# Altium PCB HYDRA_V4_LINK_OLD.PcbDoc (part 2 of 2)
Units mm, origin at the board's own origin, x right, y up, seen from the top; angles counter-clockwise.
Board outline 50.25 x 44.2 mm, 4 copper layers (TOP SIG, PWR + INT SIG, GND, BOTTOM SIG), stack 1.586 mm thick; 194 components, 154 nets, 761 pads, 257 vias.
Unrouted connection lines stored in the file: 15.
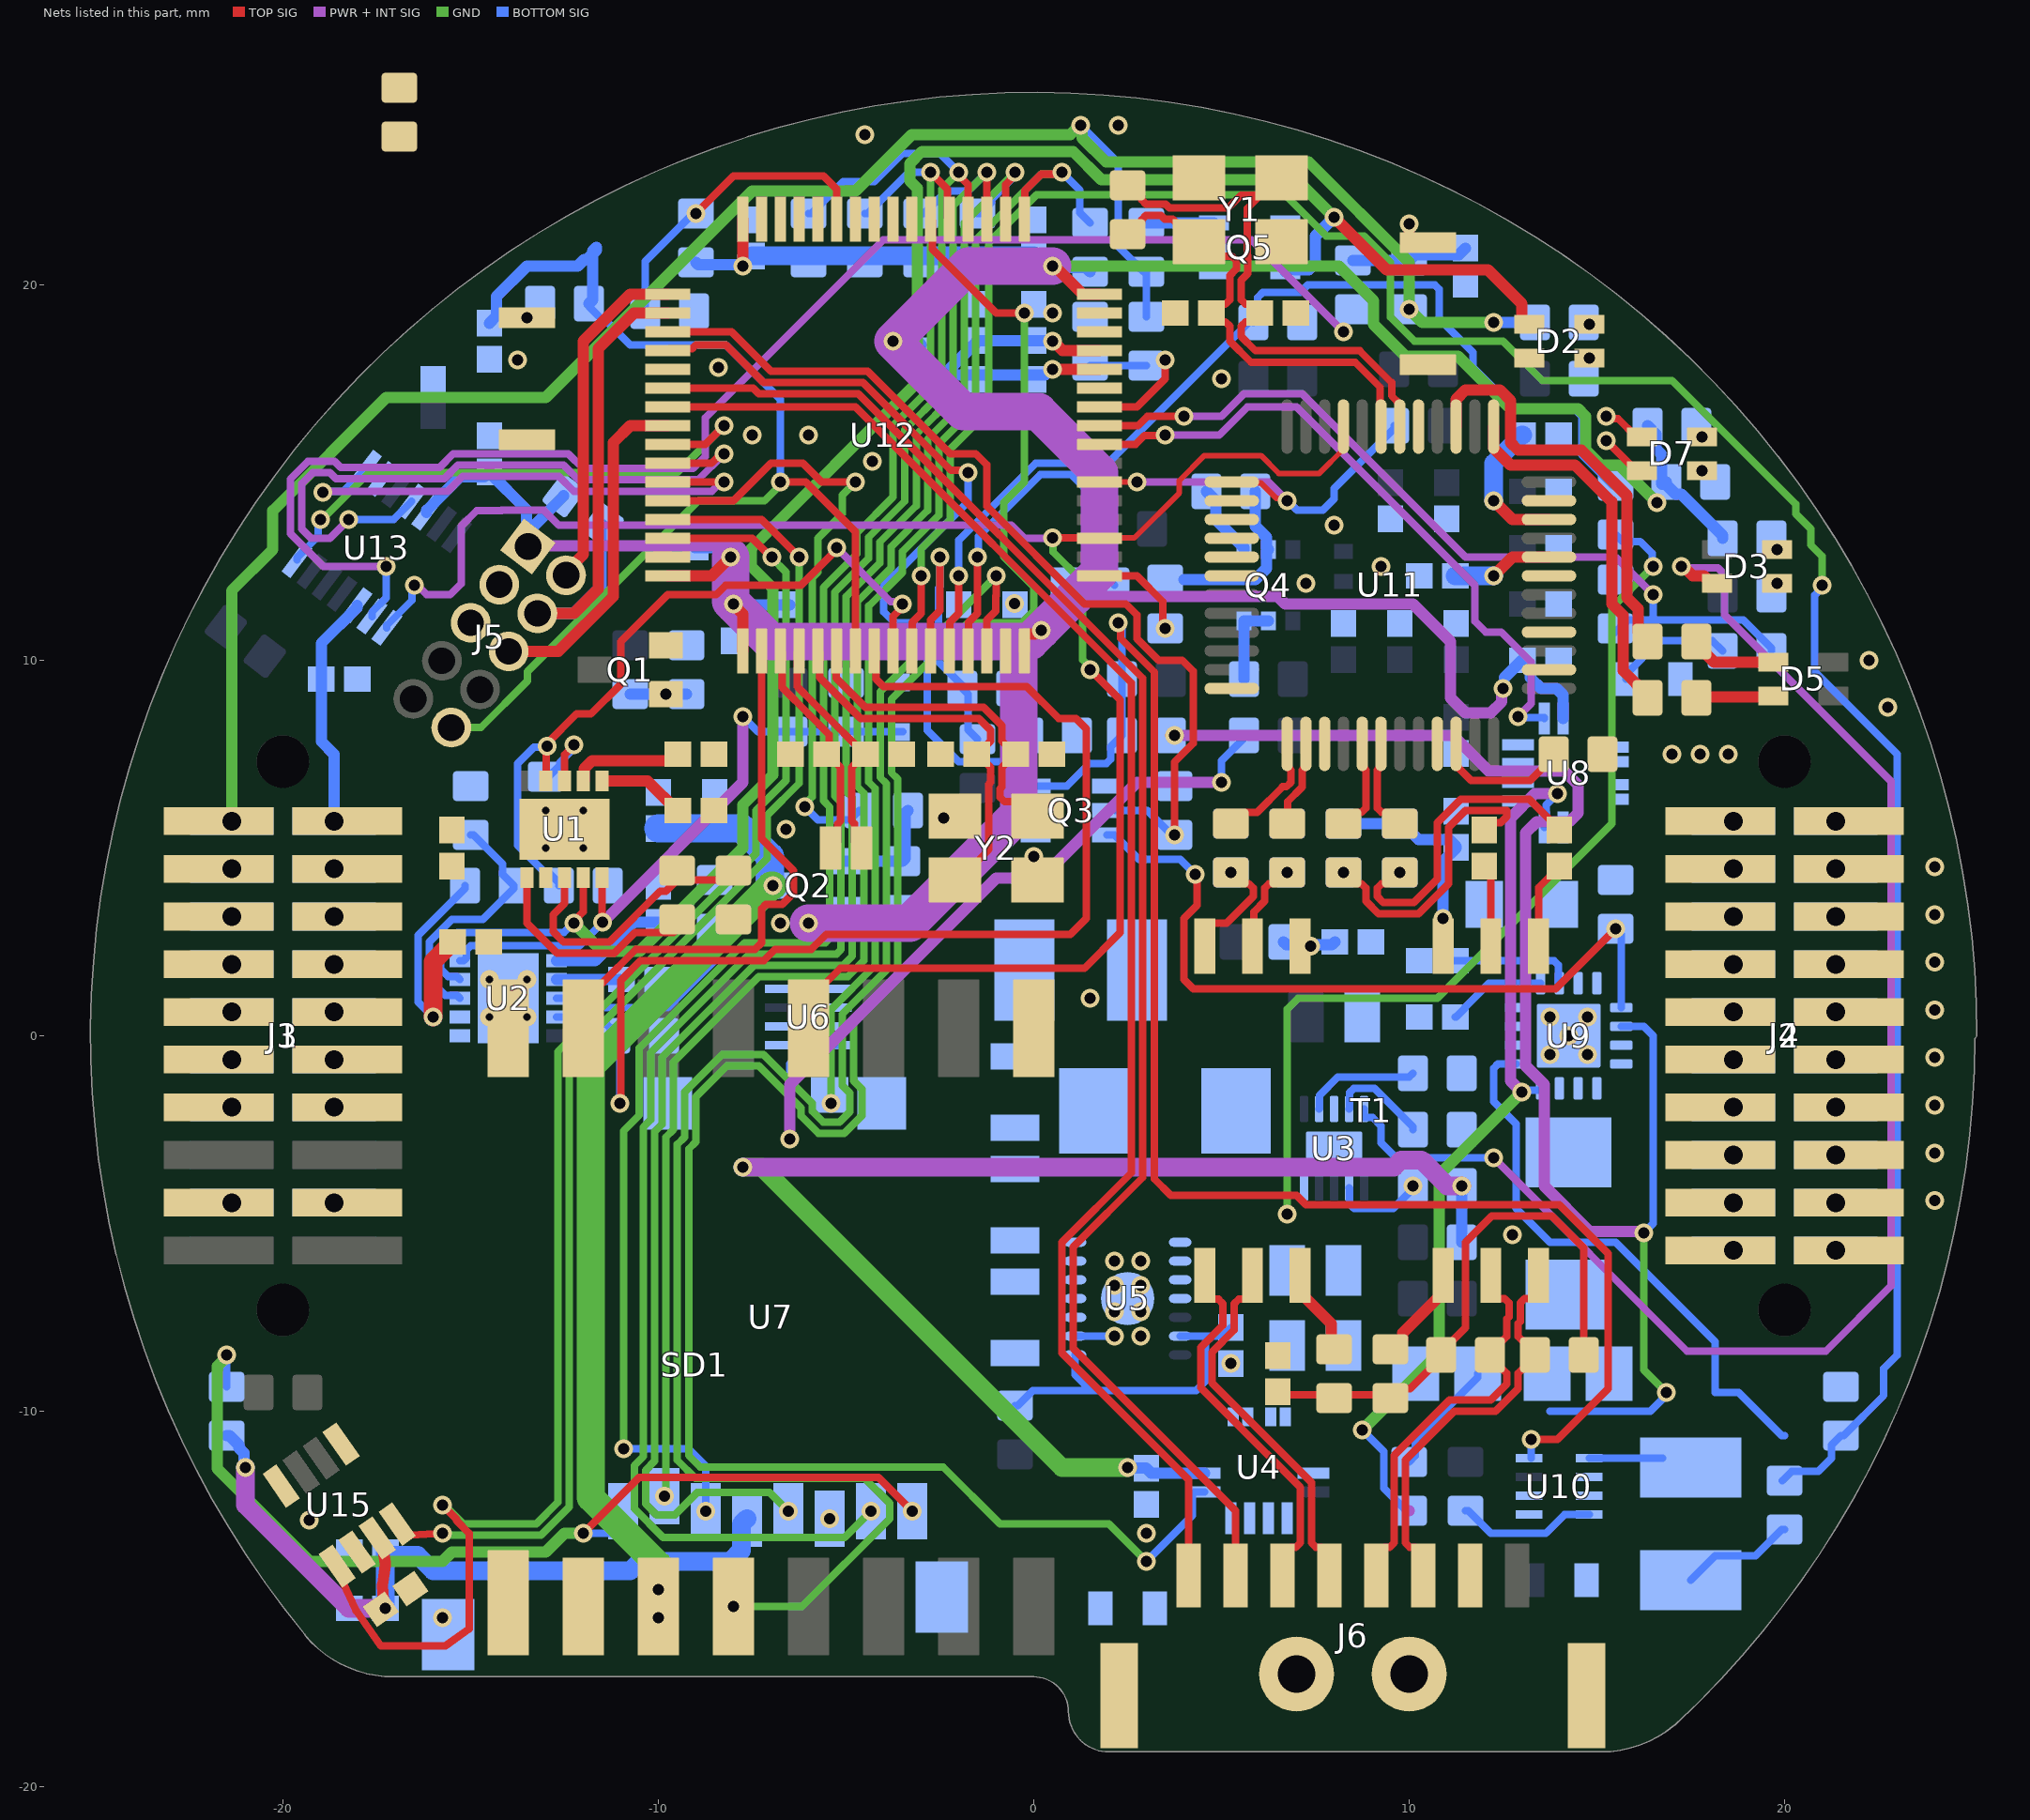
[diagram p4: the nets of this part, all layers, seen from the top]

## Via types
v1: diameter 0.5, hole 0.3, TOP SIG to BOTTOM SIG, tented both sides, 203 vias
v2: diameter 0.7, hole 0.5, TOP SIG to BOTTOM SIG, tented both sides, 40 vias
v3: diameter 0.5, hole 0.2, TOP SIG to BOTTOM SIG, 8 vias
v4: diameter 0.5, hole 0.3, TOP SIG to BOTTOM SIG, 6 vias

## Nets (pads, with @x,y where several pads share a name; then routed paths per layer and width w, separated by ;. In a path a pad name is that pad's centre, name@x,y a point inside that pad or via, vN(x,y) a via of type N, cw(c..) or ccw(c..) an arc to the next point about the centre after c; other vN are vias at no path point) (continued)
ETH_nRST: R75.1 U11.37 U12.22 | length 11
  TOP SIG w0.15: U12.22@1.75,14.75 v1(2.75,14.75) ; U11.37@5.275,14.75 5.303,14.722 6.053,14.722 6.458,14.317 6.683,14.317 v1(6.75,14.25)
  PWR + INT SIG w0.2: v1(2.75,14.75) 6.25,14.75 v1(6.75,14.25)
  BOTTOM SIG w0.2: v1(6.75,14.25) 6.767,14.25 7.017,14 7.7,14 8,14.3 8,14.575 9.6,16.175 R75.1@9.6,16.25
ETH_RX_N: J6.5 R73.1 T1.11 | length 10.8
  TOP SIG w0.2: J6.5@9.125,-14.374 9.125,-13.854 9.355,-13.623 9.482,-13.623 9.599,-13.506 9.599,-11.176 11.077,-9.698 12.176,-9.698 12.599,-9.275 12.599,-8.992 12.482,-8.875 12.45,-8.875 12.15,-8.575 R73.1@12.15,-8.5 ; R73.1@12.15,-8.425 12.45,-8.125 12.482,-8.125 12.599,-8.008 12.599,-7.544 12.659,-7.484 12.659,-7.113 12.542,-6.996 12.354,-6.996 12.175,-6.817 T1.11@12.175,-6.381
ETH_RX_P: J6.6 R69.2 T1.12 | length 10.9
  TOP SIG w0.2: J6.6@10.375,-14.374 10.375,-13.854 10.145,-13.623 10.018,-13.623 9.901,-13.506 9.901,-11.301 11.202,-10 12.301,-10 12.901,-9.4 12.901,-8.992 13.018,-8.875 13.05,-8.875 13.35,-8.575 R69.2@13.35,-8.5 13.35,-8.425 13.05,-8.125 13.018,-8.125 12.901,-8.008 12.901,-7.669 12.961,-7.609 12.961,-7.113 13.078,-6.996 13.266,-6.996 13.445,-6.817 T1.12@13.445,-6.381
ETH_SCLK: U7.12 U11.33 U12.19 U13.8 | length 51.7
  TOP SIG w0.15: U12.19@1.75,13.25 1.763,13.263 2.682,13.263 3.878,14.459 3.878,14.786 4.544,15.452 6.054,15.452 6.527,14.979 7.606,14.979 8.25,15.623 U11.33@8.25,16.225
  TOP SIG w0.2: U7.12@-6,0.2 -6,0.95 -5.155,1.795 1.348,1.795 2.303,2.75 2.303,8.947 v1(1.5,9.75) ; v1(0.503,13.264) 0.51,13.257 1.743,13.257 U12.19@1.75,13.25
  PWR + INT SIG w0.2: v1(-16.5,12) -16.419,12 -16.169,11.75 -15.75,11.75 -15.543,11.75 -15.25,12.043 -15.25,13.573 -14.831,13.992 -14.175,13.992 -14.174,13.994 -13.047,13.994 -12.653,13.6 -0.6,13.6 -0.25,13.25 v1@0.503,13.25
  GND w0.2: v1(0.503,13.264) 0.508,13.259 0.508,12.892 1.3,12.1 1.3,10.017 1.5,9.817 v1(1.5,9.75)
  BOTTOM SIG w0.2: U13.8@-17.23,10.865 -17.23,10.931 -16.557,11.604 -16.557,11.943 v1(-16.5,12)
ETH_TX_N: J6.3 T1.7 | length 9.9
  TOP SIG w0.2: T1.7@4.555,-6.381 4.555,-6.839 4.734,-7.018 4.922,-7.018 5.039,-7.135 5.039,-7.707 4.448,-8.298 4.448,-9.375 4.787,-9.713 6.196,-11.122 ; 6.198,-11.125 7.099,-12.026 7.099,-13.506 6.982,-13.623 6.855,-13.623 6.625,-13.854 J6.3@6.625,-14.374
ETH_TX_P: J6.4 T1.8 | length 9.9
  TOP SIG w0.2: T1.8@5.825,-6.381 5.825,-6.839 5.646,-7.018 5.458,-7.018 5.341,-7.135 5.341,-7.832 4.75,-8.423 4.75,-9.25 7.401,-11.901 7.401,-13.506 7.518,-13.623 7.645,-13.623 7.875,-13.854 J6.4@7.875,-14.374
ETH_X_N: C44.1 R79.1 U11.31 Y1.3 | length 12
  TOP SIG w0.2: R79.1@2.5,21.35 2.575,21.35 2.875,21.65 2.875,21.732 2.992,21.849 3.389,21.849 3.492,21.747 3.703,21.747 4.3,21.15 Y1.3@4.4,21.15 4.786,20.764 5.28,20.764 5.397,20.647 5.397,20.423 5.224,20.25 5.224,19.603 5.107,19.486 4.965,19.486 C44.1@4.729,19.25 4.965,19.014 5.107,19.014 5.224,18.897 5.224,18.503 5.785,17.942 8.558,17.942 9.231,17.269 9.231,16.244 U11.31@9.25,16.225
ETH_X_P: C43.1 R79.2 U11.30 Y1.1 | length 15.1
  TOP SIG w0.2: R79.2@2.5,22.65 2.575,22.65 2.875,22.35 2.875,22.268 2.992,22.151 3.514,22.151 3.616,22.048 5.184,22.048 5.527,22.392 Y1.1@6.042,22.392 ; Y1.1@6.6,22.85 6.142,22.392 Y1.1@6.042,22.392 ; U11.30@9.75,16.225 9.75,16.827 9.532,17.045 9.532,17.394 8.683,18.244 5.91,18.244 5.526,18.627 5.526,18.897 5.643,19.014 5.785,19.014 C43.1@6.021,19.25 5.785,19.486 5.643,19.486 5.526,19.603 5.526,20.125 5.698,20.298 5.698,20.772 5.693,20.777 5.693,22.043 Y1.1@6.042,22.392
EXIT_CT: C31.1 R65.2 R66.2 R69.1 R73.2 | length 14.9
  TOP SIG w0.2: C31.1@6.5,-9.479 6.586,-9.564 9.414,-9.564 R65.2@9.5,-9.65 9.75,-9.4 10.025,-9.4 10.85,-8.575 10.85,-8.425 11.5,-7.775 11.5,-5.5 12.198,-4.802 13.802,-4.802 14.65,-5.65 R69.1@14.65,-8.5
GND: C1.2 C2.2 C3.2 C4.2 C5.2 C6.2 C7.2 C8.2 C9.2 C10.2 C11.2 C12.2 C13.2 C14.2 C15.1 C16.2 C17.2 C18.2 C19.2 C20.2 C21.2 C22.2 C23.2 C24.2 C25.1 C26.1 C29.2 C30.2 C31.2 C32.2 C33.2 C34.2 C35.2 C36.2 C37.2 C38.2 C39.2 C40.2 C41.2 C42.2 C43.2 C44.2 C45.2 C46.2 C47.2 C48.2 C49.2 C50.2 C51.2 C52.2 C53.2 C54.2 C55.2 C56.2 C57.2 C58.2 C59.2 C61.2 C62.2 C63.2 C64.2 C65.2 C68.2 D1.2 D2.1 J1.07 J1.08 J1.13 J1.14 J1.17 J1.18 J2.01 J2.02 J2.03 J2.04 J2.05 J2.06 J2.07 J2.08 J2.09 J2.10 J2.11 J2.12 J3.07 J3.08 J3.13 J3.14 J3.17 J3.18 J4.01 J4.02 J4.03 J4.04 J4.05 J4.06 J4.07 J4.08 J4.09 J4.10 J4.11 J4.12 J5.03 J5.05 J6.7 J6.9 J6.10 pad.2 Q1.2 Q3.1 Q3.4 Q5.1 Q5.4 R2.2 R4.2 R5.2 R6.1 R8.1 R10.2 R12.2 R13.2 R14.1 R17.2 R20.2 R25.2 R29.2 R32.2 R43.1 R50.2 R57.1 R59.2 R74.2 R84.1 SD1.6 SD1.10 SD1.11 SD1.12 SD1.13 SW2.2 SW3.2 U1.11 U2.11 U3.3 U3.11 U4.5 U4.7 U4.8 U4.9 U4.10 U5.2 U5.15 U6.1 U6.4 U6.5 U7.1 U7.2 U7.9 U7.16 U8.5 U8.7 U8.8 U8.9 U8.10 U9.5 U9.6 U9.7 U9.8 U9.15 U9.16 U9.17@14.25,0 U10.1 U10.5 U11.3 U11.9 U11.14 U11.16 U11.19 U11.23 U11.29 U11.38 U11.39 U11.40 U11.41 U11.42 U11.48 U12.15 U12.27 U12.31 U12.47 U12.63 U13.2 U15.2 Y1.2 Y1.4 Y2.2 Y2.4 | length 17.9
  BOTTOM SIG w0.2: U5.2@1.1,-8 v1@2,-8 ; U9.5@12.85,-0.75 12.367,-0.75 12.25,-0.867 12.25,-1.75 12.85,-2.35 12.85,-4.6 13.75,-5.5 15.5,-5.5 18.15,-8.15 18.15,-9.5 18.775,-9.5 19.925,-10.65 20,-10.65 ; U10.5@14.8,-11.25 C26.1@16.75,-11.25
  other v1: -15.75,-15.5 3,-13.25 -19.3,-12.9 -5.44,-12.86 5.25,-8.729 2.15,-8 2.85,-8 2.15,-7.35 2.85,-7.35 2.15,-6.65 2.85,-6.65 2.15,-6 2.85,-6 12.75,-5.302 24,-4.39 24,-3.12 24,-1.85 24,-0.58 24,0.69 1.5,1 24,1.96 24,3.23 24,4.5 -0.001,4.776 -6.6,5.5 -2.4,5.8 22.75,8.75 22.25,10 -0.509,11.509 7.25,12.05 9.25,12.5 8,13.6 -4.3,15.3 -7.5,16 -6,16 5,17.5 -8.4,17.8 -13.75,18 0.5,19.25 -4.5,24 2.25,24.25
  other v2: -21.365,-4.445 -18.635,-4.445 -21.365,-1.905 -18.635,-1.905 18.635,-0.635 21.365,-0.635 18.635,0.635 21.365,0.635 -21.365,1.905 -18.635,1.905 18.635,1.905 21.365,1.905 18.635,3.175 21.365,3.175 18.635,4.445 21.365,4.445 18.635,5.715 21.365,5.715
  other v3: -14.5,0.5 -13.5,0.5 -14.5,1.5 -13.5,1.5 -13,5 -12,5 -13,6 -12,6
  other v4: 13.75,-0.5 14.75,-0.5 14.25,0 13.75,0.5 14.75,0.5
INT_3V3: C8.1 C15.2 C18.1 C19.1 C20.1 C45.1 C46.1 C47.1 C48.1 C49.1 C52.1 C53.1 C64.1 C68.1 FB2.1 J5.01 Q2.2 R18.1 R19.1 R23.2 R28.1 R35.2 R36.1 R37.1 R38.1 R39.1 R40.1 R41.1 R85.2 R90.2 R91.2 R95.1 SD1.4 U4.12 U6.2 U6.7 U8.12 U12.1 U12.16 U12.32 U12.48 U12.64 U13.5 U15.3 | length 171.5
  TOP SIG w0.3: U15.3@-17.488,-13.378 -17.32,-13.749 -17.273,-14.031 cw(c-17.521,-14.073) -17.272,-14.107 -17.343,-14.621 ccw(c-17.094,-14.655) -17.345,-14.668 -17.329,-15.003 -17.272,-15.247 v1(-17.271,-15.25) ; U12.64@-9.75,12.25 -8.579,12.25 v1(-8.079,12.75) ; v1(-8,11.5) -8,11.482 -7.75,11.232 U12.1@-7.75,10.25 ; v1(-7.75,20.5) U12.48@-7.75,21.75 ; U12.16@-0.25,10.25 -0.25,10.695 -0.248,10.697 0.04,10.697 0.143,10.8 v1(0.197,10.8) ; v1(0.5,20.498) 0.538,20.46 0.595,20.46 1.305,19.75 U12.32@1.75,19.75
  PWR + INT SIG w0.3: J5.01@-13.471,13.029 -13.454,13.046 -8.429,13.046 -8.134,12.75 v1(-8.079,12.75) ; 1.1,11.7 6.5,11.7 6.7,11.5 10.1,11.5 11.1,10.5 11.1,9 11.5,8.6 12.17,8.6 12.465,8.895 12.465,9.215 v1(12.5,9.25)
  PWR + INT SIG w0.5: v1(-21,-11.5) -21,-12.5 -18.25,-15.25 v1(-17.271,-15.25) ; v1(-7.75,-3.5) 9.6,-3.5 9.789,-3.311 10.33,-3.311 11.019,-4 v1(11.4,-4)
  PWR + INT SIG w1: v1(-8.079,12.75) -8.079,11.579 v1(-8,11.5) -7,10.5 -0.7,10.5 ; v1(-6,3) -3.3,3 -0.4,5.9 -0.4,10.2 -0.7,10.5 ; v1(0.197,10.8) -0.103,10.5 -0.7,10.5 ; v1@0.2,10.8 1.1,11.7 1.75,12.35 1.75,15 0.125,16.625 -1.875,16.625 v1(-3.75,18.5) -1.752,20.498 v1(0.5,20.498)
  GND w0.3: v1(0.5,20.498) 0.502,20.5 8.128,20.5 9.05,19.578 9.05,18.95 9.9,18.1 11.3,18.1 12.7,16.7 14.5,16.7 14.698,16.502 14.698,15.622 14.7,15.621 14.7,15.6 15.1,15.2 15.6,15.2 v1(16.6,14.2)
  GND w0.5: v1(-7.75,-3.5) -7.25,-3.5 0.75,-11.5 v1(2.5,-11.5)
  BOTTOM SIG w0.3: R38.1@-21.5,-10.65 -21.425,-10.65 -21.175,-10.9 -21.175,-10.975 -21.038,-11.112 -21.038,-11.462 v1(-21,-11.5) ; U13.5@-16.172,13.931 -16.172,13.998 -15.286,14.883 -14.638,14.883 C64.1@-14.5,15.021 -14.5,15 -13.514,14.014 -13.514,13.071 J5.01@-13.471,13.029 -13.471,13.424 -12.519,14.376 R85.2@-12.519,14.391 ; C49.1@-9.021,13 -8.348,13 -8.098,12.75 v1(-8.079,12.75) ; R28.1@-9,20.6 -8.938,20.538 -7.788,20.538 v1(-7.75,20.5) C48.1@-7.75,20.771 ; v1(-8,11.5) -7.979,11.479 C52.1@-6.5,11.479 ; v1(-3.75,18.5) -3.696,18.5 -3.646,18.45 -3.05,18.45 FB2.1@-3,18.4 ; C45.1@-2,10.521 C46.1@-0.5,10.521 -0.5,10.543 -0.314,10.729 0.072,10.729 0.143,10.8 v1(0.197,10.8) ; v1(0.5,20.498) 0.538,20.46 1.39,20.46 R41.1@1.5,20.35 ; v1(2.5,-11.5) 2.511,-11.511 2.989,-11.511 3.127,-11.648 U4.12@4.55,-11.648 ; R19.1@11.4,-5.5 v1(11.4,-4) ; 12.538,9.538 13,10 C20.1@13.021,10 13.043,10 13.229,9.814 13.229,9.535 13.514,9.25 13.926,9.25 14.102,9.074 U8.12@14.102,8.45 ; R91.2@16.35,16.25 16.58,16.02 16.58,15.627 16.727,15.48 16.727,14.698 16.744,14.681 R90.2@16.844,14.681 ; R90.2@16.85,14.75 16.85,14.675 17.1,14.425 17.25,14.425 17.675,14 18.35,13.325 R23.2@18.35,13.25
  BOTTOM SIG w0.5: v1(-17.271,-15.25) C19.1@-17.271,-13.75 -17.185,-13.836 -16.414,-13.836 -16,-14.25 -10.75,-14.25 -10.5,-14 -8.083,-14 -7.79,-13.707 -7.79,-13.01 SD1.4@-7.64,-12.86 ; C48.1@-7.5,20.771 C47.1@0,20.771
  other v1: -6.75,3
ISET2: R18.2 U3.7 | length 2.5
  BOTTOM SIG w0.2: U3.7@8.4,-4.05 8.415,-4.065 8.415,-4.483 8.534,-4.602 8.898,-4.602 8.9,-4.6 9.575,-4.6 10.1,-4.075 v1(10.1,-4)
MCU_G_LED: D7.1 | length 1.3
  TOP SIG w0.2: v1(15.248,15.85) 15.25,15.85 16.05,15.05 D7.1@16.2,15.05
MCU_R_LED: D7.4 | length 1.2
  TOP SIG w0.2: v1(15.248,16.5) 15.306,16.443 15.557,16.443 16.05,15.95 D7.4@16.2,15.95
nACT_LED: R78.1 U11.27 | length 11.3
  TOP SIG w0.3: U11.27@11.25,16.225 11.25,16.95 11.502,17.202 12.416,17.202 12.7,16.918 12.7,15.8 12.898,15.602 14.584,15.602 15.8,14.386 15.8,11.672 16.1,11.372 16.1,10.75 R78.1@16.35,10.5
NetC2_1: C2.1 U1.7 | length 3
  TOP SIG w0.3: U1.7@-12,6.785 -11.975,6.81 -11.975,7.116 -11.766,7.325 -9.654,7.325 C2.1@-9.479,7.5
NetC3_1: C3.1 U1.6 | length 2.3
  TOP SIG w0.3: U1.6@-11.5,6.785 -10.285,6.785 -9.5,6 C3.1@-9.479,6
NetC5_1: C5.1 U2.7 | length 1.7
  BOTTOM SIG w0.3: U2.7@-12.715,1.5 C5.1@-10.979,1.5
NetC6_1: C6.1 U2.6 | length 3.1
  BOTTOM SIG w0.3: U2.6@-12.715,2 -11.682,2 -10.661,3.021 C6.1@-10,3.021
NetC16_1: C16.1 C17.1 Q2.3 U7.3 | length 26.4
  GND w0.75: v1(-10,-15.5) v1(-10,-14.75) -10,-14.1 -11.8,-12.3 -11.8,-0.805 -6.995,4 v1(-6.95,4)
  BOTTOM SIG w0.75: C17.1@-10,5.521 -7.771,5.521 -7.025,4.775 -7.025,4.025 -7,4 v1(-6.95,4)
NetC23_1: C23.1 C24.1 R46.2 U8.3 U8.4 U9.10 U9.11 U9.12 | length 3.3
  BOTTOM SIG w0.2: C24.1@11.229,2 13.858,2 13.975,1.883 13.975,1.425 U9.10@14,1.4
NetC25_2: C25.2 U9.9 | length 2.7
  BOTTOM SIG w0.2: C25.2@11.229,0.5 11.25,0.5 11.486,0.736 11.486,0.758 12.129,1.4 U9.9@13.5,1.4
NetC26_2: C26.2 F3.1 R56.2 U10.2 U10.7 | length 3.1
  BOTTOM SIG w0.2: C26.2@17.5,-14.5 18.15,-13.85 19.225,-13.85 19.925,-13.15 R56.2@20,-13.15
NetC27_2: C27.2 T1.1 | length 2.4
  TOP SIG w0.2: T1.1@13.445,2.382 13.445,3.945 14,4.5 C27.2@14,4.521
NetC28_2: C28.2 T1.2 | length 2.2
  TOP SIG w0.2: C28.2@12,4.521 12.175,4.346 T1.2@12.175,2.382
NetC41_1: C41.1 U11.22 | length 3.8
  TOP SIG w0.3: v1(12.25,14.25) 12.75,13.75 U11.22@13.725,13.75
  BOTTOM SIG w0.5: v1(12.25,14.25) 12.25,15.25 13,16 C41.1@13.021,16
NetC42_1: C42.1 U11.20 | length 2.7
  TOP SIG w0.3: v1(12.25,12.25) 12.75,12.75 U11.20@13.725,12.75
  BOTTOM SIG w0.5: C42.1@11.229,12.25 v1(12.25,12.25)
NetC65_1: C65.1 R96.1 R98.1 SW3.1 | length 5
  TOP SIG w0.3: v1(10,21.625) 10,21.25 SW3.1@10.5,21.125
  BOTTOM SIG w0.3: R98.1@8.5,20.65 R96.1@10,20.65 ; v1(10,21.625) R96.1@10,20.65 ; C65.1@11.5,20.979 11.321,20.8 10.15,20.8 R96.1@10,20.65
NetD2_2: D2.2 R15.2
  other v1: 14.8,18.05
NetD2_3: D2.3 R16.2
  other v1: 14.8,18.95
NetD3_2: D3.2 R22.1
  other v1: 19.8,12.05
NetD3_3: D3.3 R23.1
  other v1: 19.8,12.95
NetD5_1: D5.1 R77.2 | length 2.1
  TOP SIG w0.3: R77.2@17.65,9 17.675,9.025 19.675,9.025 D5.1@19.7,9.05
NetD5_4: D5.4 R78.2 | length 2.3
  TOP SIG w0.3: R78.2@17.65,10.5 17.65,10.425 18.125,9.95 D5.4@19.7,9.95
NetD7_2: D7.2 R90.1
  other v1: 17.8,15.05
NetD7_3: D7.3 R91.1
  other v1: 17.8,15.95
NetF1_2: F1.2 U4.1 U4.2
NetF2_2: F2.2 R42.2 U8.1 U8.2 | length 3.2
  BOTTOM SIG w0.2: F2.2@15.775,9.5 15.775,9.625 16.67,10.52 18.08,10.52 R42.2@18.35,10.25
NetL1_1: L1.1 U5.8 U5.9
NetL1_2: L1.2 U5.6 U5.7
NetL2_1: L2.1 U9.1 U9.2 U9.3
NetQ1_1: Q1.1 R31.2 R32.1 | length 1.5
  BOTTOM SIG w0.3: R31.2@-10.75,9.1 v1(-9.8,9.1) R32.1@-9.25,9.1
NetQ2_1: Q2.1 R34.2 R35.1 | length 3
  BOTTOM SIG w0.3: Q2.1@-5.05,4.65 R35.1@-3.5,4.65 -3.425,4.725 -3.425,5.925 R34.2@-3.35,6
NetQ3_2: Q3.2 R50.1 U12.52 | length 23.4
  TOP SIG w0.2: U12.52@-9.75,18.25 -9.698,18.302 -9.101,18.302 -9.003,18.4 -8.2,18.4 -7.198,17.398 -4.545,17.398 -2.204,15.057 -1.807,15.057 v1(-1.75,15)
  BOTTOM SIG w0.2: v1(-1.75,15) -1.75,14.223 -4,11.973 -4,11.293 -3.707,11 -3.239,11 -2.839,10.6 -2.839,8.138 -2,7.298 -0.777,7.298 -0.602,7.473 ; R50.1@-0.15,8 -0.15,7.925 -0.602,7.473 ; Q3.2@0.05,6 0,6.05 -0.426,6.05 -0.602,6.226 -0.602,7.473
NetQ3_3: Q3.3 R54.2 R55.2 U10.4 | length 40.9
  TOP SIG w0.2: v1(2.25,11) 2.307,10.943 2.307,10.593 3.208,9.692 3.208,-3.808 3.65,-4.25 7,-4.25 7.25,-4.5 14,-4.5 15.3,-5.8 15.3,-9.4 13.95,-10.75 v1(13.25,-10.75)
  BOTTOM SIG w0.2: Q3.3@0.05,6.65 0.883,6.65 1.483,7.25 1.933,7.25 2.05,7.367 2.05,7.7 R55.2@2.35,8 R54.2@2.35,9.5 2.35,10.819 2.25,10.919 v1(2.25,11) ; U10.4@13.25,-11.25 v1(13.25,-10.75)
NetQ3_5: Q3.5 R59.1 U12.51 | length 25.4
  TOP SIG w0.2: U12.51@-9.75,18.75 -8.05,18.75 -7,17.7 -4.42,17.7 -2.22,15.5 -1.543,15.5 -1.25,15.207 -1.25,14.103 1.353,11.5 2.457,11.5 2.75,11.207 2.75,10.577 3.327,10 3.957,10 4.25,9.707 4.25,7.793 3.75,7.293 v1(3.75,5.35)
  BOTTOM SIG w0.2: Q3.5@1.95,6 3.025,6 3.675,5.35 v1(3.75,5.35)
NetQ4_1: Q4.1 R82.1 | length 2
  BOTTOM SIG w0.3: R82.1@4.6,14.5 4.85,14.25 4.85,13.75 5.6,13 Q4.1@5.6,12.95
NetQ4_2: Q4.2 R81.1 R82.2 | length 4.5
  BOTTOM SIG w0.3: 4,12.15 5.9,12.15 6.2,12.45 6.2,12.9 Q4.2@6.25,12.95 6.2,13 6.2,13.275 5.9,13.575 R82.2@5.9,14.5
NetQ4_5: Q4.5 Q4.6 R80.1 | length 2.2
  BOTTOM SIG w0.3: R80.1@5.6,9.5 Q4.6@5.6,11.05 Q4.5@6.25,11.05
NetQ5_5: Q5.5 Q5.6 R26.2 | length 2.5
  BOTTOM SIG w0.3: R26.2@3,21.65 Q5.6@4.8,21.65 Q5.5@4.8,21
NetR1_2: R1.2 R2.1 U1.3 | length 7.2
  TOP SIG w0.2: U1.3@-12.5,4.215 -12.5,3.528 -12.8,3.228 -12.8,2.772 -12.529,2.502 -11.301,2.502 -9.953,3.85 -9.8,3.85 -9.5,4.15 R2.1@-8,4.15
NetR3_1: R3.1 R6.2 U12.11 | length 7.9
  TOP SIG w0.2: U12.11@-2.75,10.25 -2.75,11.073 -2.5,11.323 v1(-2.5,12.75)
  BOTTOM SIG w0.2: v1(-2.5,12.75) -2.5,11.958 -2.538,11.92 -2.538,9.963 -1.9,9.325 R6.2@-1.9,9.25 -1.75,9.1 -1.75,8.15 R3.1@-1.5,7.9
NetR4_1: R4.1 U1.8 | length 2.3
  TOP SIG w0.2: U1.8@-12.5,6.785 -12.5,7.482 -12.25,7.732 v1(-12.25,7.75)
  BOTTOM SIG w0.2: R4.1@-13,6.9 -12.925,6.9 -12.625,7.2 -12.625,7.275 -12.307,7.593 -12.307,7.693 v1(-12.25,7.75)
NetR5_1: R5.1 U1.9 U12.9 | length 20
  TOP SIG w0.2: U1.9@-13,6.785 -12.982,6.803 -12.982,7.697 v1(-12.965,7.715) -12.965,7.785 -12.178,8.572 -11.793,8.572 -11,9.365 -11,10.5 -9.75,11.75 -8.457,11.75 -8.207,12 -6.2,12 v1@-5.225,12.975 ; U12.9@-3.75,10.25 -3.75,11.169 -3.5,11.419 v1(-3.5,11.5)
  PWR + INT SIG w0.2: v1(-5.25,13) -3.807,11.557 -3.557,11.557 v1(-3.5,11.5)
  BOTTOM SIG w0.2: v1(-12.965,7.715) -12.993,7.687 -13.315,7.687 -13.75,7.252 -13.75,5.075 -13.05,4.375 -12.95,4.375 -12.65,4.075 R5.1@-12.65,4
NetR9_2: R9.2 R10.1 U2.3 | length 6.8
  BOTTOM SIG w0.2: U2.3@-15.285,1 -15.36,1.075 -15.675,1.075 -16.098,1.498 -16.098,2.502 -15.5,3.1 -14.675,3.1 -13.85,3.925 R9.2@-13.85,4 -14.15,4.3 -14.15,4.575 -14.925,5.35 R10.1@-15,5.35
NetR11_1: R11.1 R14.2 U12.13 | length 9.7
  TOP SIG w0.2: U12.13@-1.75,10.25 -1.738,10.262 -1.738,11.012 -1.5,11.25 v1(-1.5,12.75)
  BOTTOM SIG w0.2: v1(-1.5,12.75) -1.468,12.782 -1.468,13.3 0.181,14.948 1,14.948 1.65,14.298 1.65,13.7 R11.1@1.85,13.5 2,13.35 2,12.15 R14.2@2.15,12
NetR12_1: R12.1 U2.8 | length 5.7
  BOTTOM SIG w0.2: U2.8@-12.715,1 -11.648,1 -11.398,0.75 -9.75,0.75 -8.5,2 R12.1@-8.5,2.85
NetR13_1: R13.1 U2.9 U12.8 | length 32
  TOP SIG w0.2: v1(-11.025,-1.8) -11,-1.775 -11,1.473 -10.47,2.003 -7.185,2.003 -6.883,2.305 -5.925,2.305 -5.53,2.7 0.973,2.7 1.398,3.125 1.398,8.175 1.125,8.448 0.668,8.448 -0.184,9.3 -4,9.3 -4.198,9.498 -4.198,10.198 U12.8@-4.25,10.25
  BOTTOM SIG w0.2: U2.9@-12.715,0.5 -11.99,0.5 -11.986,0.496 -11.571,0.496 -11.15,0.075 R13.1@-11.15,0 -11.025,-0.125 v1(-11.025,-1.8)
NetR17_1: R17.1 U3.2 | length 3.1
  BOTTOM SIG w0.2: U3.2@7.6,-1.95 7.615,-1.935 7.615,-1.585 8.103,-1.097 10.003,-1.097 R17.1@10.1,-1
NetR20_1: R20.1 U3.4 | length 2.7
  BOTTOM SIG w0.2: U3.4@8.4,-1.95 8.415,-1.935 8.415,-1.516 8.532,-1.398 9.073,-1.398 9.26,-1.585 10.1,-2.425 R20.1@10.1,-2.5
NetR24_2: R24.2 R25.1 U12.12 | length 27.2
  TOP SIG w0.2: U12.12@-2.25,10.25 -2.238,10.262 -2.238,11.012 -2,11.25 v1(-2,12.25)
  BOTTOM SIG w0.2: v1(-2,12.25) -2,13.194 0.056,15.25 1.977,15.25 5.788,19.062 R25.1@5.826,19.099 ; R25.1@5.85,19 5.958,19.108 5.958,19.658 6.1,19.8 7.1,19.8 7.3,20 10.683,20 10.8,19.883 10.8,19.1 11.7,18.2 11.7,17.8 12.8,16.7 14.4,16.7 14.6,16.5 14.6,15.475 15.425,14.65 R24.2@15.5,14.65
NetR27_2: R27.2 U6.8 | length 21.3
  PWR + INT SIG w0.3: v1(-6.5,-2.75) -6.5,-1.3 -1,4.2 0.2,4.2 2.75,6.75 v1(5,6.75)
  BOTTOM SIG w0.2: v1(-6.5,-2.75) -6.5,-0.75 -6,-0.25 U6.8@-5.2,-0.25 ; v1(5,6.75) 5,7.325 5.6,7.925 R27.2@5.6,8
NetR28_2: R28.2 R29.1 U12.43 | length 8.3
  TOP SIG w0.2: v1(-9,21.9) -8,22.9 -5.6,22.9 -5.25,22.55 U12.43@-5.25,21.75
  BOTTOM SIG w0.2: R29.1@-10.35,19.3 -10.35,20.625 -9.075,21.9 v1(-9,21.9)
NetR34_1: R34.1 U12.60 | length 16.5
  TOP SIG w0.2: U12.60@-9.75,14.25 -8,14.25 -7,15.25 -6.15,15.25 -5.65,14.75 v1(-4.75,14.75)
  GND w0.2: v1(-6.1,6.1) -6.1,6.169 -5.902,6.367 -5.902,12.198 -5.75,12.35 -5.75,13.25 -5.1,13.9 -5.1,14.4 v1(-4.75,14.75)
  BOTTOM SIG w0.2: v1(-6.1,6.1) -5.75,5.75 -4.9,5.75 R34.1@-4.65,6
NetR42_1: R42.1 R43.2 U12.25 | length 22.7
  TOP SIG w0.2: U12.25@1.75,16.25 2.781,16.25 3.031,16.5 v1(4,16.5)
  PWR + INT SIG w0.2: v1(4,16.5) 5,16.5 5.6,17.1 7.15,17.1 11.5,12.75 15.5,12.75 v1(16.5,11.75)
  BOTTOM SIG w0.2: R43.2@15.5,10.75 15.823,11.073 16.5,11.073 ; v1(16.5,11.75) 16.5,11.073 ; R42.1@19.65,10.25 19.65,10.325 18.902,11.073 16.5,11.073
NetR56_1: R56.1 R57.2 U12.10 | length 67
  TOP SIG w0.2: U12.10@-3.25,10.25 -3.238,10.262 -3.238,11.012 -3,11.25 v1(-3,12.25)
  GND w0.2: v1(-3,12.25) -3,12.967 -2.225,13.742 -2.225,15.625 -1.2,16.65 -1.2,21.123 0.077,22.4 6.693,22.4 7.793,21.3 8.8,21.3 9.5,20.6 9.5,19.143 10.143,18.5 12.5,18.5 13.547,17.453 17.004,17.453 20.3,14.157 20.3,13.9 20.7,13.5 20.7,13.069 21,12.769 v1(21,12)